# KiCad board processed.kicad_pcb (continued)
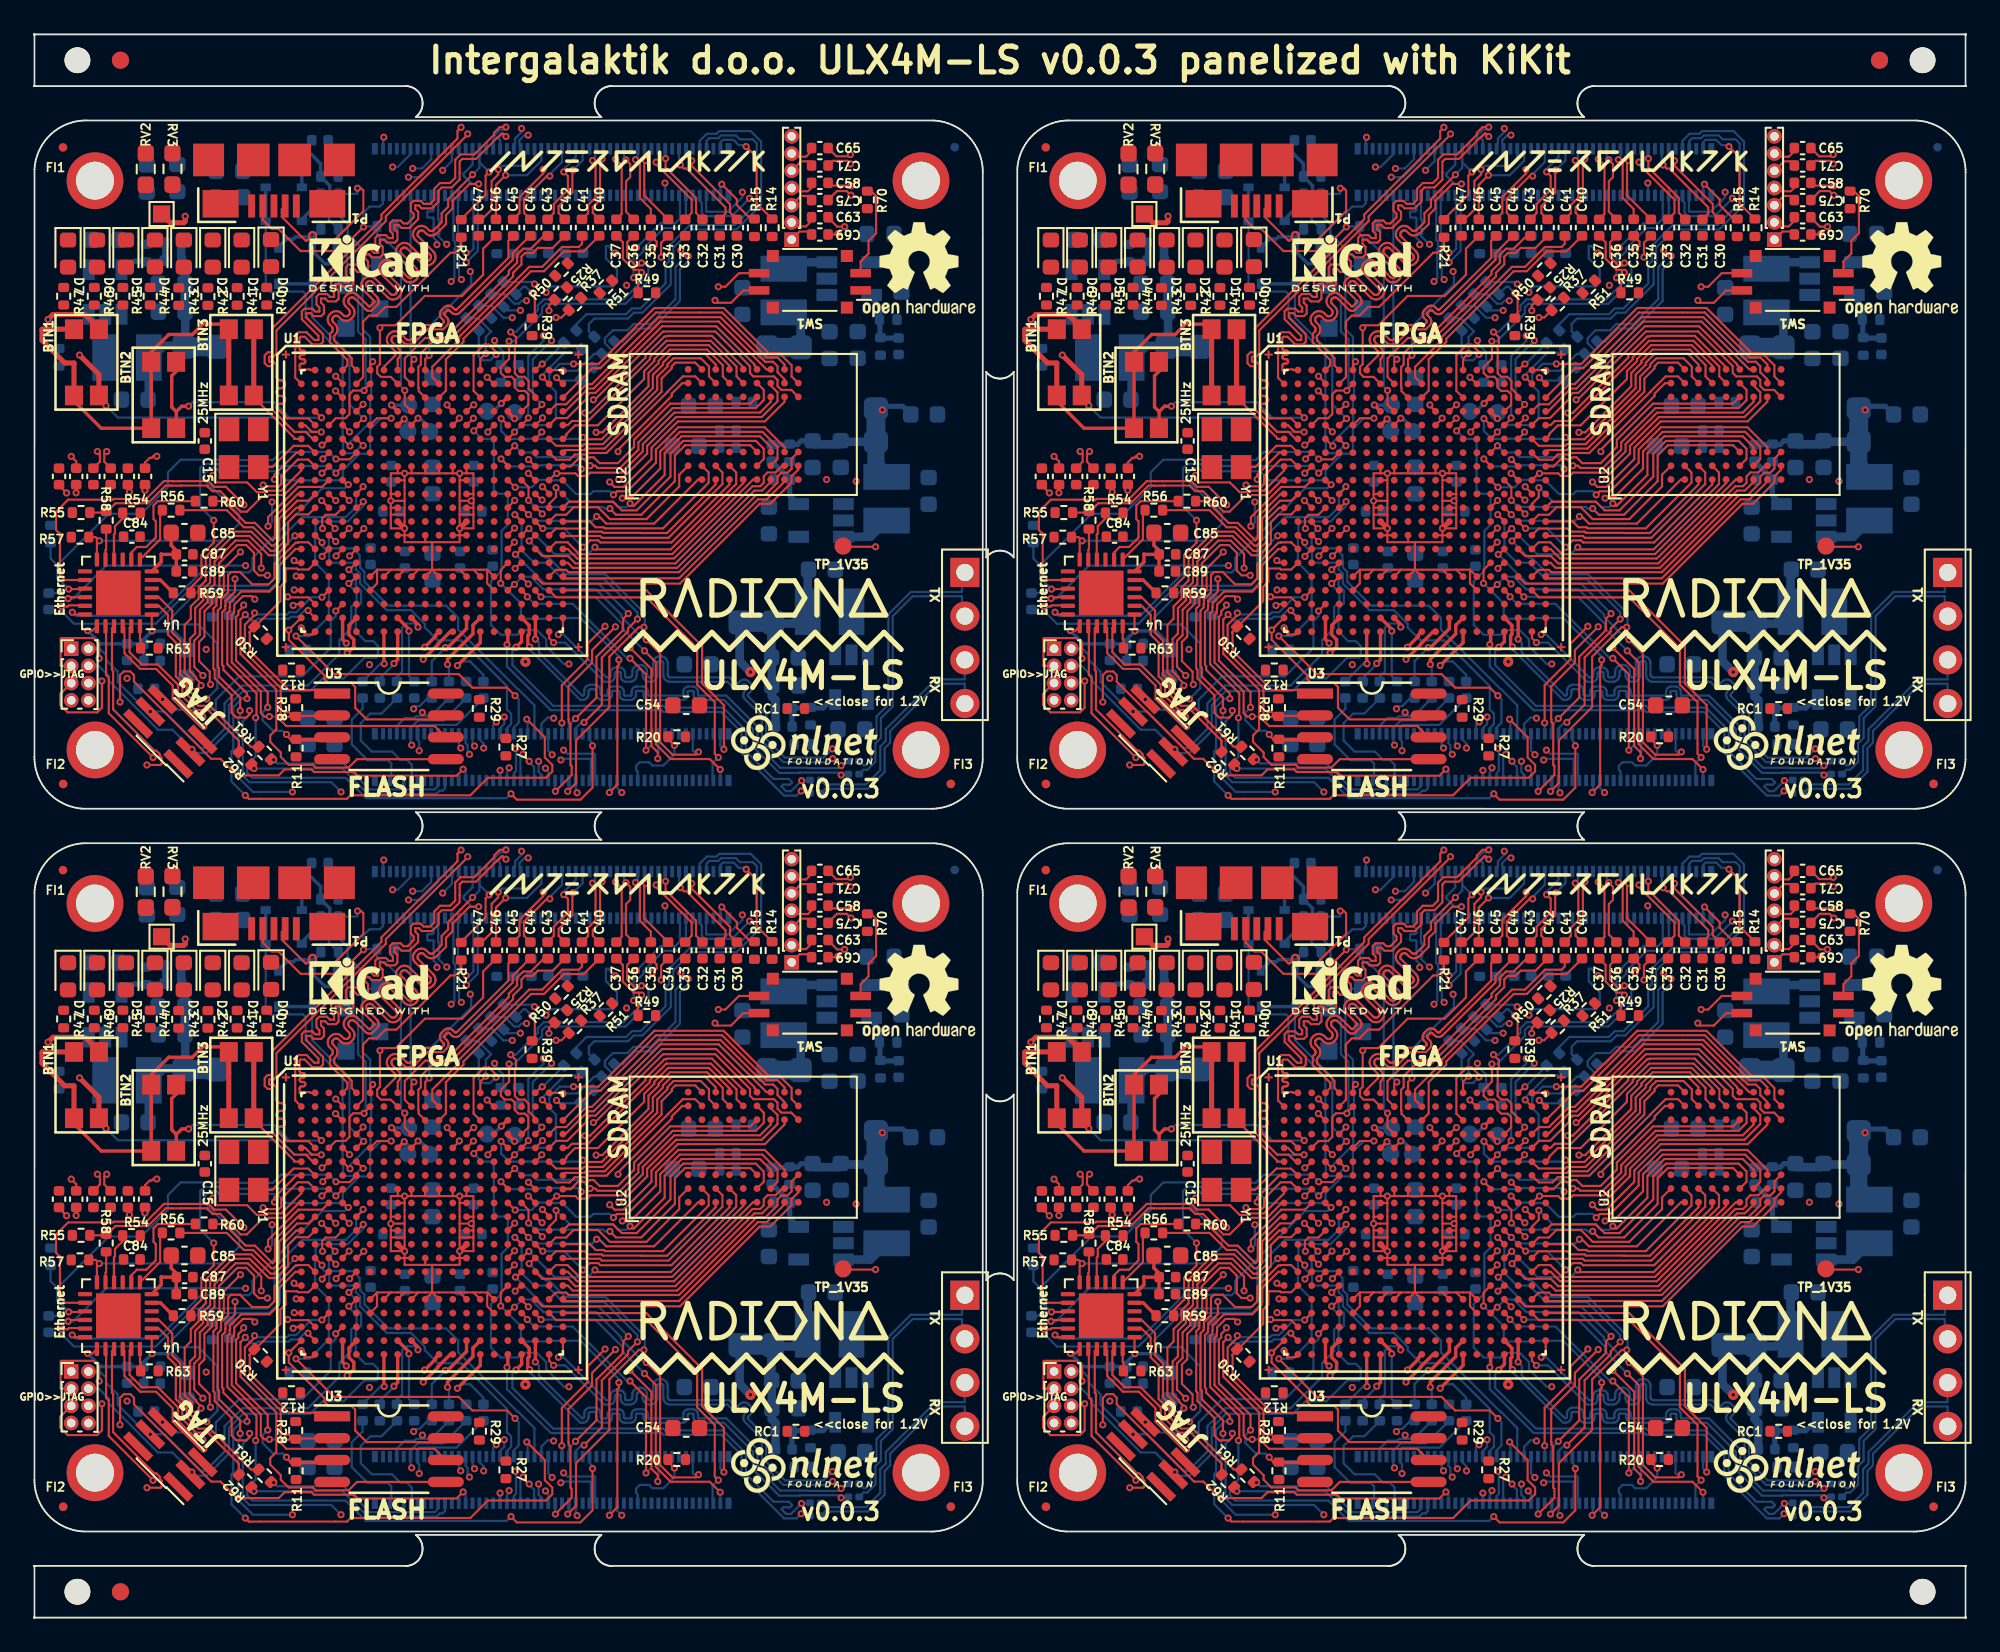
[diagram p0: board, top side]
## Routing (per net, layer and track width the routed paths; a pad name or vN(x,y) marks a point on that pad's centre or on a via; arc(x,y) is an arc through that point) (continued)
Board_2-DSI1_D2_N: length 21.5
  In2.Cu w0.127: v1(37.56,37.46) 37.77,37.67 40.69,37.67 41.75,38.72 41.75,40.28 v1(41.56,40.47)
  Bottom w0.127: v1(37.56,37.46) 37.56,36.79 37.25,36.48 37.25,34.62 35.8,33.16 34.81,33.16 34.45,32.8 33.61,32.8 33.15,32.34 33.15,32.06 33.53,31.67 33.53,31.26 32.91,30.65 R34#3.2 ; v1(41.56,40.47) 40.53,39.44 38.96,39.44 38.78,39.62 38.78,40.21 38.66,40.33 J2#3.93
Board_2-DSI1_D2_P: length 19.1
  In2.Cu w0.127: v1(37.99,37.12) 38.28,37.4 40.79,37.4 42,38.62 42,40.75 41.71,41.04 41.35,41.04 v1(41.14,40.83)
  Bottom w0.127: R22#3.1 34.17,32.16 34.92,32.9 35.9,32.9 37.51,34.51 37.51,36.34 37.99,36.83 v1(37.99,37.12) ; J2#3.95 39.03,40.62 39.03,39.73 39.07,39.7 40.3,39.7 41.14,40.54 v1(41.14,40.83)
Board_2-DSI1_D3_N: length 23.1
  Bottom w0.127: J2#3.94 38.66,43.81 39.07,44.22 39.64,44.22 39.8,44.38 41.62,44.38 42.23,43.77 42.23,40.1 40.8,38.66 38.19,38.66 37.13,37.6 37.13,36.71 36.98,36.56 36.98,35.47 35.33,33.83 34.83,33.83 34.49,33.49 32.53,33.49 32.22,33.17 32.22,32.75 R35#3.2
Board_2-DSI1_D3_P: length 22.1
  Bottom w0.127: R23#3.1 31.49,33.15 32.08,33.74 34.39,33.74 34.73,34.08 35.23,34.08 36.67,35.53 36.67,36.62 36.87,36.82 36.87,37.71 38.08,38.92 40.69,38.92 41.98,40.2 41.98,43.67 41.75,43.9 41,43.9 40.77,44.13 39.9,44.13 39.74,43.97 39.22,43.97 39.06,43.81 J2#3.96
Board_2-ETH_0N: length 30.1
  Top w0.127: v1(6.89,7.98) 4.32,10.55 4.32,12.62 4.16,12.77 4.16,15.57 U4#3.20
  In2.Cu w0.127: v1(21.92,8.7) 21.33,8.11 15.26,8.11 14.95,7.8 14.43,7.8 14.01,7.39 13.65,7.39 13.04,8 9.53,8 8.92,7.39 8.23,7.39 7.64,7.98 v1(6.89,7.98)
  Bottom w0.127: C70#3.2 23.78,10.13 22.29,10.13 21.86,9.7 J1#3.10 21.86,8.77 v1(21.92,8.7)
Board_2-ETH_0P: length 33.2
  Top w0.127: v1(6.54,7.55) 7.32,7.55 7.39,7.61 7.39,7.96 7.29,8.06 7.29,8.18 7.09,8.38 6.97,8.38 4.57,10.77 4.57,13 4.5,13.07 4.5,15.48 U4#3.21
  In2.Cu w0.127: v1(6.54,7.55) 6.57,7.58 7.68,7.58 8.12,7.13 9.03,7.13 9.64,7.74 12.93,7.74 13.54,7.13 14.12,7.13 14.53,7.55 15.05,7.55 15.36,7.86 21.84,7.86 v1(22.36,8.37)
  Bottom w0.127: v1(22.36,8.37) 22.36,8.91 22.26,9.01 J1#3.12 22.26,9.74 22.39,9.88 24.53,9.88 C64#3.1
Board_2-ETH_1N: length 27.5
  Top w0.127: U4#3.22 5.23,15.51 5.23,14.04 6.14,13.13 7.07,13.13 8.04,12.16 8.04,11.39 9.64,9.79 v1(9.84,9.79)
  In2.Cu w0.127: v1(9.84,9.79) 10.63,9 13.2,9 13.95,8.25 14.2,8.25 14.56,8.61 15.2,8.61 15.8,9.21 21.15,9.21 v1(22.54,10.6)
  Bottom w0.127: C74#3.2 23.04,10.38 ; 23.04,10.38 22.18,10.38 22.08,10.28 21.53,10.28 21.06,9.81 J1#3.6 ; 23.04,10.38 22.76,10.38 v1(22.54,10.6)
Board_2-ETH_1P: length 23.1
  Top w0.127: U4#3.23 5.53,15.51 5.53,14.1 6.25,13.38 7.17,13.38 8.34,12.22 8.34,11.44 9.45,10.33 v1(9.78,10.33)
  In2.Cu w0.127: v1(9.78,10.33) 10.08,10.33 11.15,9.26 13.34,9.26 14.1,8.5 14.46,8.86 15.05,8.86 15.65,9.46 20.69,9.46 v1(22.04,10.81)
  Bottom w0.127: C57#3.1 22.85,11.43 22.38,10.96 22.19,10.96 v1(22.04,10.81)
Board_2-ETH_2N: length 8.2
  Bottom w0.127: J1#3.9 21.93,6.72 21.93,7.56 21.65,7.84 21.27,7.84 20.78,8.33 19.6,8.33 18.97,8.96 18.97,9.98 19.52,10.53 20.17,10.53 C73#3.2
Board_2-ETH_3P: length 6.7
  Bottom w0.127: J1#3.3 20.74,6.73 20.74,7.63 20.55,7.82 19.37,7.82 18.44,8.74 18.44,10.18 19.07,10.81 C62#3.1
Board_2-ETH_MDIO: length 29.2
  Top w0.127: R57#3.2 3.56,20.78 v1(3.77,20.57) 3.63,20.44 U4#3.12 ; v1(20.73,27.69) 19.91,27.69 U1#3.E6
  Bottom w0.127: v1(20.73,27.69) 20.14,27.69 19.51,27.06 19.51,25.77 19.37,25.63 18.89,25.63 17.92,24.67 17.92,24.32 17.69,24.08 14.63,24.08 14.1,24.61 10.73,24.61 10.56,24.78 10.18,24.78 9.89,24.49 9.89,24.11 11.9,22.1 11.9,21.57 10.91,20.57 v1(3.77,20.57)
Board_2-ETH_nLED1: length 12.6
  Top w0.127: v1(12.76,7.34) 12.76,7.42 R62#3.1
  Bottom w0.127: v1(12.76,7.34) 17.9,7.34 19.37,5.87 23.37,5.87 23.55,6.05 23.72,6.05 23.86,6.19 J1#3.19
Board_2-ETH_nLED2: length 10.9
  Top w0.127: R61#3.1 13.78,7.85 v1(13.91,7.85)
  Bottom w0.127: v1(13.91,7.85) 14.12,7.64 17.97,7.64 19.48,6.12 23.26,6.12 23.46,6.32 J1#3.17
Board_2-ETH_~{RESET}: length 26.3
  Top w0.127: U1#3.G5 18.32,25.3 17.54,25.3 v1(17.52,25.32) ; U4#3.15 2.91,17.76 v1(1.99,17.76)
  Bottom w0.127: 1.33,19.15 0.94,19.54 R53#3.2 ; 1.33,19.15 1.33,18.42 v1(1.99,17.76) 1.5,17.76 1.27,17.53 C83#3.2 ; 1.33,19.15 4.32,22.14 6.21,22.14 7.76,23.7 7.76,24.55 8.49,25.29 10.77,25.29 10.79,25.26 13.86,25.26 14.33,25.74 17.11,25.74 v1(17.52,25.32)
Board_2-FPDI_D1+: length 17
  Top w0.127: v1(35.91,37.46) 36.16,37.71 36.16,37.95 C35#3.1 ; v1(29.49,28.5) 29.49,28.47 U1#3.D18
  In2.Cu w0.127: v1(35.91,37.46) 36.58,37.46 36.93,37.12 36.93,35.53 36.38,34.99 35.41,34.99 34.18,33.76 32.37,33.76 31.05,32.43 30.28,32.43 v1(30.05,32.21)
  Bottom w0.127: v1(29.49,28.5) 28.96,29.02 28.96,31.12 v1(30.05,32.21)
Board_2-FPDI_D1-: length 17
  Top w0.127: C34#2.1 36.42,37.89 v1(36.42,37.05) ; U1#3.E17 28.7,27.69 v1(28.7,27.72)
  In2.Cu w0.127: v1(29.58,32.49) 29.79,32.7 30.95,32.7 32.27,34.01 34.08,34.01 35.31,35.24 36.28,35.24 36.63,35.59 36.63,36.85 v1(36.42,37.05)
  Bottom w0.127: v1(28.7,27.72) 28.7,31.31 29.58,32.19 v1(29.58,32.49)
Board_2-FPDI_D2+: length 17.1
  Top w0.127: C37#3.1 34.19,37.92 34.19,36.96 34.84,36.32 35.13,36.32 v1(35.28,36.17) ; U1#3.C18 29.11,29.03 28.72,29.42 28.72,29.86 28.48,30.1 28.12,30.1 27.92,30.31 27.92,31.85 27.99,31.92 27.99,32.4 v1(27.68,32.71)
  Bottom w0.127: v1(35.28,36.17) 35.28,35.64 34.24,34.6 29.6,34.6 29.25,34.25 29.25,33.98 27.97,32.71 v1(27.68,32.71)
Board_2-FPDI_D2-: length 19.2
  Top w0.127: v1(35.28,36.72) 35.13,36.57 34.94,36.57 34.45,37.07 34.45,37.92 C36#3.1 ; U1#3.D17 28.7,28.49 28.7,29.08 28.5,29.29 28.12,29.29 27.91,29.49 27.91,29.92 27.73,30.1 27.32,30.1 27.1,30.33 27.1,30.66 27.58,31.14 v1(27.58,32.17)
  Bottom w0.127: v1(35.28,36.72) 35.58,36.72 35.68,36.61 35.68,35.67 34.35,34.35 29.71,34.35 29.5,34.14 29.5,33.79 27.88,32.17 v1(27.58,32.17)
Board_2-GLOBAL_EN: length 18.7
  Top w0.127: v1(35.45,14.18) 36.11,13.52 36.11,8.76 36.97,7.89 39.24,7.89 v1(39.85,7.28) ; U1#3.U18 29.11,17.65 v1(29.44,17.32)
  Bottom w0.127: v1(39.85,7.28) 39.86,7.28 J1#3.99 ; v1(29.44,17.32) 32.59,17.32 34.16,15.74 34.16,15.47 v1(35.45,14.18)
Board_2-GN0: length 14.4
  Top w0.127: U1#3.C11 23.91,29.29 23.91,31.11 24.93,32.14 24.93,32.32 28.85,36.24 29.61,36.24 30.77,37.39 31.92,37.39 C40#3.1
Board_2-GN3: length 14.4
  Top w0.127: C42#3.1 30.12,37.59 29.26,37.59 28.96,37.29 28.51,37.29 28.3,37.09 28.3,36.64 27.82,36.15 27.82,35.94 23.99,32.11 23.1,32.11 22.46,31.46 22.46,30.82 22.31,30.67 22.31,29.48 22.33,29.46 22.33,29.27 U1#3.C10
Board_2-GN4: length 14
  Top w0.127: U1#3.A8 21.11,31.13 21.13,31.15 21.19,31.23 21.24,31.32 21.26,31.42 21.26,31.52 21.24,31.61 21.19,31.7 21.13,31.78 20.81,32.1 20.78,32.14 20.76,32.19 20.74,32.24 20.74,32.29 20.76,32.34 20.78,32.38 20.81,32.42 20.85,32.45 20.89,32.47 20.94,32.48 20.99,32.48 21.04,32.47 21.08,32.45 21.12,32.42 21.44,32.1 21.52,32.04 21.61,31.99 21.71,31.97 21.81,31.97 21.91,31.99 22,32.04 22.08,32.1 22.84,32.86 23.75,32.86 23.96,33.07 24.01,33.13 24.04,33.2 24.06,33.28 24.06,33.36 24.04,33.43 24.01,33.5 23.96,33.56 23.86,33.66 23.84,33.68 23.83,33.71 23.82,33.73 23.82,33.76 23.83,33.78 23.84,33.8 23.86,33.82 23.98,33.94 24,33.96 24.02,33.97 24.04,33.98 24.07,33.98 24.09,33.97 24.12,33.96 24.14,33.94 24.24,33.84 24.3,33.79 24.37,33.76 24.44,33.74 24.52,33.74 24.6,33.76 24.67,33.79 24.73,33.84 27.79,36.91 27.79,37.3 28.79,38.29 C44#3.1
Board_2-GN5: length 14
  Top w0.127: U1#3.B8 20.71,30.1 20.13,30.1 19.92,30.31 19.92,30.68 20.08,30.84 v1(20.08,32.95) 20.22,33.09 20.98,33.09 22.69,34.8 24.85,34.8 26.07,36.03 26.07,37.55 C46#3.1
Board_2-GP0: length 13.4
  Top w0.127: C41#3.1 31.82,37.83 31.63,37.65 30.66,37.65 29.51,36.49 28.75,36.49 24.68,32.42 24.68,32.24 23.12,30.68 23.12,30.09 U1#3.B11
Board_2-GP3: length 13.3
  Top w0.127: U1#3.B9 21.52,30.09 21.52,31.18 22.71,32.36 23.86,32.36 27.56,36.07 27.56,36.26 28.05,36.74 28.05,37.19 28.41,37.55 28.85,37.55 29.6,38.29 C43#3.1
Board_2-GP4: length 13.9
  Top w0.127: U1#3.A7 20.31,30.69 20.93,31.31 20.96,31.35 20.98,31.39 20.99,31.44 20.99,31.49 20.98,31.54 20.96,31.58 20.93,31.62 20.61,31.94 20.55,32.02 20.5,32.11 20.48,32.21 20.48,32.31 20.5,32.41 20.55,32.5 20.61,32.58 20.65,32.62 20.73,32.68 20.82,32.73 20.92,32.75 21.02,32.75 21.11,32.73 21.2,32.68 21.28,32.62 21.6,32.3 21.64,32.27 21.69,32.25 21.74,32.23 21.79,32.23 21.84,32.25 21.88,32.27 21.92,32.3 22.74,33.11 23.64,33.11 23.77,33.24 23.78,33.26 23.79,33.28 23.8,33.31 23.8,33.33 23.79,33.35 23.78,33.38 23.77,33.4 23.66,33.5 23.61,33.56 23.58,33.63 23.56,33.7 23.56,33.78 23.58,33.86 23.61,33.93 23.66,33.99 23.81,34.14 23.87,34.19 23.94,34.22 24.02,34.24 24.1,34.24 24.17,34.22 24.24,34.19 24.3,34.14 24.4,34.03 24.42,34.02 24.45,34.01 24.47,34 24.49,34 24.52,34.01 24.54,34.02 24.56,34.03 25.22,34.7 27.54,37.01 27.54,38.02 C45#3.1
Board_2-GPIO2: length 19.7
  Top w0.127: v1(31.94,10.02) 32.97,11.05 32.97,13.78 34.49,15.3 34.49,15.47 v1(35.04,16.02) ; U1#3.M17 28.31,21.7 v1(27.92,22.09)
  Bottom w0.127: v1(27.92,22.09) 28.31,21.7 28.31,20.02 29.04,19.29 29.76,19.29 30.72,18.33 33.12,18.33 35.04,16.42 v1(35.04,16.02) ; J1#3.58 31.46,9.69 31.79,10.02 v1(31.94,10.02)
Board_2-GPIO3: length 16.9
  Top w0.127: v1(31.44,10.24) 32.66,11.46 32.66,13.83 34.21,15.38 34.21,16.04 v1(34.51,16.34) ; v1(27.95,19.78) 28,19.78 U1#3.P17
  Bottom w0.127: v1(27.95,19.78) 29.67,18.06 32.79,18.06 v1(34.51,16.34) ; v1(31.44,10.24) 31.06,9.86 J1#3.56
Board_2-GPIO4: length 15.4
  Top w0.127: v1(30.65,9.99) 30.65,12.18 32.15,13.69 32.15,14.6 v1(33.16,15.6) ; v1(27.89,20.49) 27.51,20.11 U1#3.P16
  In2.Cu w0.127: v1(33.16,15.6) 32.74,16.02 32.74,16.21 30.69,18.27 30.69,18.38 29.28,19.78 28.52,19.78 27.89,20.41 v1(27.89,20.49)
  Bottom w0.127: v1(30.65,9.99) 30.66,9.98 J1#3.54
Board_2-GPIO5: length 48
  Top w0.127: v1(15.14,20.86) 15.17,20.89 U1#3.N1
  In2.Cu w0.127: v1(26.84,10.05) 27.05,9.84 27.05,8.47 26.72,8.14 26.2,8.14 26.06,7.99 25.68,7.99 25.4,7.71 23.87,7.71 23.19,7.04 20.55,7.04 20.53,7.02 20.15,7.02 19.77,7.39 16.93,7.39 16.81,7.27 14.61,7.27 14.21,6.87 12.84,6.87 12.76,6.94 11.75,6.94 11.46,6.65 8.24,6.65 7.57,7.32 6.89,7.32 6.71,7.15 6.37,7.15 6.14,7.38 6.14,7.81 6.7,8.38 7.01,8.38 v1(10.01,11.38)
  Bottom w0.127: v1(10.01,11.38) 10.63,12 10.63,14.6 9.52,15.71 8.27,15.71 7.95,16.03 7.95,16.1 9.55,17.71 13.64,17.71 14.26,18.32 14.26,19.99 v1(15.14,20.86) ; v1(26.84,10.05) 26.66,9.86 J1#3.34
Board_2-GPIO6: length 21.2
  Top w0.127: U1#3.R1 15.22,19.29 v1(15.09,19.43)
  In2.Cu w0.127: v1(26.11,8.53) 26.03,8.6 26.03,10.97 26.43,11.36 26.43,13.07 25.07,14.43 25.07,15.84 24.3,16.61 20.61,16.61 20.54,16.54 20.29,16.54 19.14,17.69 18.08,17.69 16.5,17.69 15.61,18.59 15.61,18.91 v1(15.09,19.43)
  Bottom w0.127: J1#3.30 25.86,9.04 26.11,8.79 v1(26.11,8.53)
Board_2-GPIO7: length 21.6
  Top w0.127: v1(16.72,19.67) 16.72,19.71 U1#3.P3
  In2.Cu w0.127: v1(16.72,19.67) 16.72,19 17.23,18.49 18.08,18.49 18.7,18.49 20.33,16.86 24.43,16.86 25.32,15.97 25.32,14.54 26.7,13.16 26.7,11.46 27.43,10.74 27.49,10.74 27.7,10.53 27.7,8.84 27.56,8.69 27.56,7.41 v1(27.59,7.38)
  Bottom w0.127: v1(27.59,7.38) 27.59,7.23 27.46,7.1 J1#3.37
Board_2-GPIO8: length 21.2
  Top w0.127: v1(17.53,19.7) 17.53,19.72 U1#3.P4
  In2.Cu w0.127: v1(17.53,19.7) 17.93,19.29 18.51,19.29 20.14,17.66 24.89,17.66 25.1,17.45 25.1,16.58 25.59,16.09 25.59,14.63 26.96,13.26 26.96,11.57 27.53,10.99 27.6,10.99 27.96,10.63 v1(27.96,8.5)
  Bottom w0.127: J1#3.39 27.86,7.06 27.99,7.19 27.99,8.47 v1(27.96,8.5)
Board_2-GPIO9: length 28.6
  Top w0.127: v1(15.2,15.04) 17.41,12.82 24.66,12.82 25.45,12.04 27.47,12.04 v1(27.93,11.57) ; U1#3.L5 18.75,22.49 v1(19.11,22.85)
  Bottom w0.127: v1(15.2,15.04) 15.98,15.04 17.11,16.16 17.11,18.5 16.31,19.3 16.31,21 16.34,21.02 16.34,21.47 16.56,21.7 18.2,21.7 19.11,22.6 v1(19.11,22.85) ; v1(27.93,11.57) 28.14,11.36 28.14,10 27.86,9.72 J1#3.40
Board_2-GPIO10: length 48
  Top w0.127: v1(18.29,22.92) 18.29,22.92 U1#3.K4 ; v1(28.61,10.2) 29.66,9.16 29.66,7.99 30.09,7.55 30.09,7.17 29.73,6.8 26.35,6.8 25.33,5.78 18.37,5.78 18.16,5.58 12.46,5.58 v1(12.26,5.78) ; v1(12.36,11.4) 12.36,11.7 10.98,13.07 10.98,13.29 10.91,13.36 10.91,16.42 11.09,16.6 11.09,16.79 11.1,16.8 11.1,17.07 11.66,17.63 v1(11.66,18.36)
  In2.Cu w0.127: v1(11.66,18.36) 11.66,19.09 12.1,19.53 12.17,19.53 12.2,19.57 12.82,19.57 13.98,20.72 13.98,21.57 15.97,23.57 17.64,23.57 v1(18.29,22.92)
  Bottom w0.127: v1(12.26,5.78) 11.45,6.59 11.45,8.33 11.56,8.44 11.56,10.9 12.06,11.4 v1(12.36,11.4) ; v1(28.61,10.2) 28.66,10.16 J1#3.44
Board_2-GPIO11: length 18.8
  Top w0.127: v1(16.71,20.48) 16.71,20.49 U1#3.N2
  Bottom w0.127: v1(16.71,20.48) 16.71,20.29 17.13,19.87 17.13,19.3 17.14,19.29 18.51,19.29 18.68,19.13 18.68,18.91 18.93,18.66 18.93,18.09 20.47,16.54 21.89,16.54 22.69,15.74 22.69,15.54 23.44,14.78 24.8,14.78 27.46,12.13 27.46,10.77 27.7,10.53 27.7,9.92 27.46,9.68 J1#3.38
Board_2-GPIO12: length 29.6
  Top w0.127: v1(9.69,12.17) 9.69,12.27 9.4,12.55 9.4,12.62 9.03,12.99 9.03,14.88 9.34,15.18 9.34,16.66 9.8,17.12 9.8,17.75 10.21,18.16 10.21,19.54 11.53,20.85 12.5,20.85 13.62,19.73 14.06,19.73 14.74,20.41 14.74,21.65 15.19,22.1 15.92,22.1 U1#3.L2 ; v1(3.76,13.74) 3.76,14.59 3.44,14.92 1.56,14.92 1.52,14.88 1.52,13.32 1.54,13.3 J6#3.3
  In2.Cu w0.127: v1(3.76,13.74) 3.93,13.58 3.93,13.35 4.04,13.35 5.2,12.18 6.86,12.18 7.34,12.66 9.19,12.66 v1(9.69,12.17)
Board_2-GPIO13: length 21.4
  Top w0.127: v1(15.21,18.52) 15.24,18.49 U1#3.T1
  In2.Cu w0.127: v1(15.21,18.52) 15.21,18.22 16.54,16.89 17.06,16.89 17.11,16.84 17.11,15.9 17.44,15.57 18.47,15.57 18.88,15.16 20.6,15.16 21.79,16.35 24.19,16.35 24.81,15.73 24.81,14.33 26.16,12.98 26.16,11.51 25.57,10.92 v1(25.57,8.65)
  Bottom w0.127: v1(25.57,8.65) 25.46,8.77 J1#3.28
Board_2-GPIO14: length 22
  Top w0.127: v1(28.75,20.56) 29.08,20.89 U1#3.N18 ; v1(30.99,6.02) 31.47,6.5 31.47,8.97 33.41,10.91 33.41,13.84 35.12,15.55 v1(35.42,15.55)
  Bottom w0.127: J1#3.55 31.06,6.08 v1(30.99,6.02) ; v1(35.42,15.55) 35.47,15.6 35.47,16.34 33.19,18.62 30.86,18.62 29.89,19.59 29.72,19.59 v1(28.75,20.56)
Board_2-GPIO15: length 21
  Top w0.127: v1(27.9,21.31) 27.51,20.92 U1#3.N16 ; v1(33.76,15.57) 32.41,14.22 32.41,13.49 31.03,12.12 31.03,10.2 31.05,10.18 31.05,10.03 31.15,9.93 31.15,7.55 31.22,7.48 31.22,6.96 v1(30.27,6.02)
  In2.Cu w0.127: v1(33.76,15.57) 33.21,16.12 33.21,16.19 30.94,18.47 30.94,18.6 29.51,20.04 28.68,20.04 28.33,20.38 28.33,20.88 v1(27.9,21.31)
  Bottom w0.127: v1(30.27,6.02) 30.26,6.03 J1#3.51
Board_2-GPIO16: length 28.8
  Top w0.127: J6#3.5 1.5,11.66 1.5,11.03 1.93,10.6 3.65,10.6 3.92,10.87 v1(3.92,12.42) ; v1(9.25,11.82) 9.15,11.92 9.15,12.5 8.73,12.91 8.73,15.68 9.09,16.04 9.09,16.76 9.55,17.23 9.55,17.86 9.96,18.26 9.96,19.64 11.42,21.11 12.61,21.11 13.73,19.99 13.96,19.99 14.49,20.51 14.49,21.76 15.22,22.49 U1#3.L1
  In2.Cu w0.127: v1(9.25,11.82) 8.66,12.41 7.46,12.41 6.98,11.93 5.1,11.93 4.48,12.55 4.04,12.55 v1(3.92,12.42)
Board_2-GPIO17: length 68.2
  Top w0.127: U1#3.H3 16.72,24.5 v1(16.71,24.5)
  In2.Cu w0.127: v1(30.08,8.14) 30.13,8.1 30.13,7.12 29.78,6.78 27.11,6.78 26.61,6.28 26.46,6.28 26.46,6.27 20.86,6.27 20.85,6.26 19.83,6.26 19.45,6.63 17.52,6.63 17.39,6.5 14.93,6.5 14.53,6.1 12.52,6.1 12.45,6.18 12.06,6.18 11.69,5.81 10.44,5.81 10.41,5.83 10.03,5.83 10,5.81 6.44,5.81 6.41,5.83 2.48,5.83 0.84,7.48 0.84,10.45 0.67,10.62 0.67,24.55 1.2,25.08 8.15,25.08 8.39,25.32 9.1,25.32 9.7,25.91 10.27,25.91 10.84,25.35 15.87,25.35 v1(16.71,24.5)
  Bottom w0.127: J1#3.50 29.86,8.37 v1(30.08,8.14)
Board_2-GPIO18: length 25.4
  Top w0.127: v1(19.14,21.28) 18.75,20.89 U1#3.N5
  In2.Cu w0.127: v1(19.14,21.28) 20.15,20.27 26.28,20.27 26.74,19.82 26.74,18.34 26.7,18.3 26.7,17.91 26.7,17.91 26.7,15.12 26.78,15.03 28.51,15.03 28.93,15.45 29.09,15.45 29.51,15.04 29.51,13.62 29.52,13.61 29.52,9.54 29.68,9.37 29.68,7.9 29.87,7.71 29.87,7.54 v1(29.69,7.36)
  Bottom w0.127: v1(29.69,7.36) 29.86,7.2 J1#3.49
Board_2-GPIO19: length 21.9
  Top w0.127: U1#3.U1 15.12,17.69 v1(15.1,17.72)
  In2.Cu w0.127: v1(15.1,17.72) 15.32,17.72 16.3,16.74 16.3,15.91 16.91,15.3 18.38,15.3 18.77,14.91 20.7,14.91 21.89,16.1 24.09,16.1 24.56,15.63 24.56,14.22 25.91,12.87 25.91,11.62 25.17,10.89 25.17,8.27 v1(25.28,8.16)
  Bottom w0.127: v1(25.28,8.16) 25.17,8.27 25.17,8.7 25.06,8.81 J1#3.26
Board_2-GPIO20: length 28
  Top w0.127: U1#3.L3 16.7,22.91 v1(16.69,22.91) ; v1(9.79,12.74) 9.29,13.25 9.29,14.77 9.61,15.09 9.61,16.57 10.06,17.01 10.06,17.65 10.47,18.05 10.47,19.37 11.68,20.59 12.41,20.59 13.18,19.81 v1(13.18,18.99)
  In2.Cu w0.127: v1(13.18,18.99) 14.49,20.29 14.49,21.32 16.08,22.91 v1(16.69,22.91) ; J6#3.1 2.79,14.95 4.28,14.95 5.38,13.85 v1(5.38,12.58) 5.93,13.13 9.4,13.13 v1(9.79,12.74)
Board_2-GPIO21: length 53.8
  Top w0.127: v1(13.54,18.57) 13.04,18.57 12.76,18.84 12.76,19.87 12.31,20.32 11.79,20.32 10.73,19.26 10.73,18.77 10.75,18.75 10.75,17.79 10.31,17.36 10.31,16.91 9.88,16.48 9.88,15 9.57,14.69 9.57,13.58 10.19,12.96 10.19,12.27 v1(10.23,12.23) ; v1(16.74,21.29) 16.72,21.31 16.72,21.88 16.92,22.09 17.5,22.09 U1#3.L4 ; v3(24.91,7.3) 24.53,6.92 18.79,6.92 18.57,7.14 16.24,7.14 16.09,7.29 14.54,7.29 14.2,6.94 11.77,6.94 10.81,7.9 10.27,7.9 5.78,12.39 5.78,12.78 5.57,12.98 5.19,12.98 4.97,12.77 v1(4.97,11.2)
  In2.Cu w0.127: v1(10.23,12.23) 10.23,11.93 10.08,11.78 9.82,11.78 9.67,11.64 9.63,11.64 8.75,10.75 7.32,10.75 6.87,11.2 v1(4.97,11.2) 4.59,11.2 4.07,10.69 2.76,10.69 J6#3.7 ; v1(13.54,18.57) 15.05,20.08 15.54,20.08 v1(16.74,21.29)
  Bottom w0.127: J1#3.25 25.06,7.15 v3(24.91,7.3)
Board_2-GPIO22: length 20.3
  Top w0.127: v1(17.47,21.29) 17.11,21.65 U1#3.M3
  Bottom w0.127: v1(17.47,21.29) 17.11,20.93 17.11,20.29 17.26,20.13 18.5,20.13 18.9,19.73 18.9,19.43 18.93,19.4 18.93,19.02 19.18,18.77 19.18,18.19 20.56,16.81 20.72,16.81 20.73,16.8 23.92,16.8 24.62,16.1 24.62,15.42 28.08,11.96 28.11,11.96 29.06,11.01 J1#3.46
Board_2-GPIO23: length 23.9
  Top w0.127: U1#3.N4 17.91,20.91 v1(18.29,21.29)
  In2.Cu w0.127: v1(29.3,7.76) 29.43,7.89 29.43,9.27 29.26,9.43 29.26,12.12 27.06,14.32 27.04,14.32 26.44,14.92 26.44,17.81 26.44,17.81 26.44,18.4 26.48,18.44 26.48,19.72 26.18,20.01 19.57,20.01 v1(18.29,21.29)
  Bottom w0.127: v1(29.3,7.76) 29.29,7.75 29.29,7.14 29.46,6.98 J1#3.47
Board_2-GPIO24: length 23.4
  Top w0.127: U1#3.N3 17.15,20.89 v1(17.51,20.54)
  In2.Cu w0.127: v1(17.51,20.54) 17.94,20.1 18.55,20.1 19.82,18.83 25.7,18.83 26.19,18.35 26.19,17.7 26.19,17.7 26.19,14.75 29.01,11.93 29.01,9.33 29.17,9.16 29.17,8.23 28.75,7.81 v1(28.75,7.76)
  Bottom w0.127: J1#3.45 29.04,6.66 29.04,7.43 28.75,7.72 v1(28.75,7.76)
Board_2-GPIO25: length 21.5
  Top w0.127: v1(18.32,19.69) 18.32,19.7 U1#3.P5
  In2.Cu w0.127: v1(18.32,19.69) 18.6,19.69 19.77,18.52 25.65,18.52 25.93,18.24 25.93,17.6 25.94,17.6 25.94,14.64 27.21,13.37 27.21,11.67 27.64,11.24 27.7,11.24 28.21,10.74 28.21,9.97 28.37,9.8 28.37,8.19 v1(28.39,8.17)
  Bottom w0.127: v1(28.39,8.17) 28.24,8.02 28.24,6.66 J1#3.41
Board_2-GPIO26: length 17.3
  Top w0.127: U1#3.V1 15.11,16.89 v1(15.04,16.82)
  In2.Cu w0.127: v1(15.04,16.82) 16.8,15.05 18.28,15.05 18.67,14.66 21.08,14.66 21.19,14.76 21.2,14.76 21.24,14.8 22.9,14.8 23.09,14.61 23.09,10.21 v1(24.77,8.53)
  Bottom w0.127: J1#3.24 24.66,8.64 v1(24.77,8.53)
Board_2-GPIO27: length 31.5
  Top w0.127: v1(27.94,18.97) 28.26,19.29 U1#3.R17
  In2.Cu w0.127: v1(30.17,10.26) 30.17,9.66 30.22,9.61 30.46,9.61 31.29,8.78 31.29,6.98 32.73,5.54 34.63,5.54 35.26,6.17 37.22,6.17 37.72,6.67 37.72,8.83 37.36,9.19 37.03,9.19 36.35,9.87 36.35,11.18 35.01,12.52 35.01,14.57 34.71,14.87 33,14.87 29.86,18.01 29.71,18.01 28.76,18.97 v1(27.94,18.97)
  Bottom w0.127: v1(30.17,10.26) 30.13,10.3 29.83,10.3 29.46,9.93 J1#3.48
Board_2-HDMI0_CLK_N: length 5.3
  Top w0.127: C30#3.2 40.42,39.65 40.42,40.14 38.2,42.36 v1(38.2,42.66)
  Bottom w0.127: J2#3.90 37.86,43 v1(38.2,42.66)
Board_2-HDMI0_CLK_P: length 5.5
  Top w0.127: C31#3.2 40.16,39.59 40.16,39.95 37.9,42.21 37.74,42.21 v1(37.53,42.42)
  Bottom w0.127: v1(37.53,42.42) 37.46,42.49 J2#3.88
Board_2-HDMI0_SCL: length 6.9
  Top w0.127: v1(41.36,43.48) 41.97,42.87 41.97,40.17 R14#3.2
  Bottom w0.127: v1(41.36,43.48) 41.28,43.57 40.93,43.57 40.62,43.88 40.01,43.88 39.86,43.73 J2#3.100
Board_2-HDMI0_SDA: length 3.6
  Top w0.127: v1(39.94,41.29) 40.82,40.41 40.82,40.08 41.63,39.27 R15#3.2
  Bottom w0.127: J2#3.99 39.86,41.21 v1(39.94,41.29)
Board_2-HDMI0_TX0_N: length 5
  Top w0.127: v1(36.68,42.79) 36.68,42.27 38.45,40.5 38.45,39.63 C32#3.2
  Bottom w0.127: J2#3.84 36.66,42.81 v1(36.68,42.79)
Board_2-HDMI0_TX0_P: length 5.2
  Top w0.127: C33#3.2 38.19,39.63 38.19,40.39 36.13,42.46 v1(36.13,42.58)
  Bottom w0.127: v1(36.13,42.58) 36.26,42.71 J2#3.82
Board_2-HDMI0_TX1_N: length 4.7
  Top w0.127: C34#2.2 35.44,40.64 35.44,42.58 v1(35.53,42.67)
  Bottom w0.127: v1(35.53,42.67) 35.46,42.74 J2#3.78
Board_2-HDMI0_TX1_P: length 4.5
  Top w0.127: v1(34.93,42.72) 35.18,42.46 35.18,40.49 35.82,39.85 C35#3.2
  Bottom w0.127: v1(34.93,42.72) 35.06,42.85 J2#3.76
Board_2-HDMI0_TX2_N: length 4.5
  Top w0.127: C36#3.2 34.38,39.7 34.38,41.46 34.62,41.71 34.62,42.46 v1(34.38,42.71)
  Bottom w0.127: v1(34.38,42.71) 34.26,42.83 J2#3.72
Board_2-HDMI0_TX2_P: length 4.4
  Top w0.127: v1(33.77,42.75) 34.12,42.39 34.12,39.56 C37#3.2
  Bottom w0.127: J2#3.70 33.86,42.84 v1(33.77,42.75)
Board_2-HDMI1_CLK_N: length 4.5
  Top w0.127: C40#3.2 32.45,39.62 32.45,39.96 32.87,40.38 32.87,42.65 v1(32.99,42.76)
  Bottom w0.127: v1(32.99,42.76) 33.06,42.84 J2#3.66
Board_2-HDMI1_CLK_P: length 4.6
  Top w0.127: C41#3.2 32.17,39.6 32.17,40.08 32.61,40.52 32.61,42.36 32.49,42.48
  Top w0.2: 32.49,42.48 32.43,42.53 v1(32.43,42.68)
  Bottom w0.127: J2#3.64 32.58,43.28 32.58,42.83 v1(32.43,42.68)
Board_2-HDMI1_TX0_N: length 4.8
  Top w0.127: C42#3.2 30.46,39.61 30.46,40.01 31.26,40.82 31.26,42.08 v1(31.3,42.12)
  Bottom w0.127: J2#3.60 31.86,42.68 v1(31.3,42.12)